# Altium PCB CL-HC-M-V2.1gerber.PcbDoc (part 3 of 16)
Units mil, origin at the board's own origin, x right, y up, seen from the top; angles counter-clockwise.
Board outline 27559.06 x 27559.06 mil, 2 copper layers (TopLayer, BottomLayer); 575 components, 528 nets, 1941 pads, 1850 vias.
Unrouted connection lines stored in the file: 70.
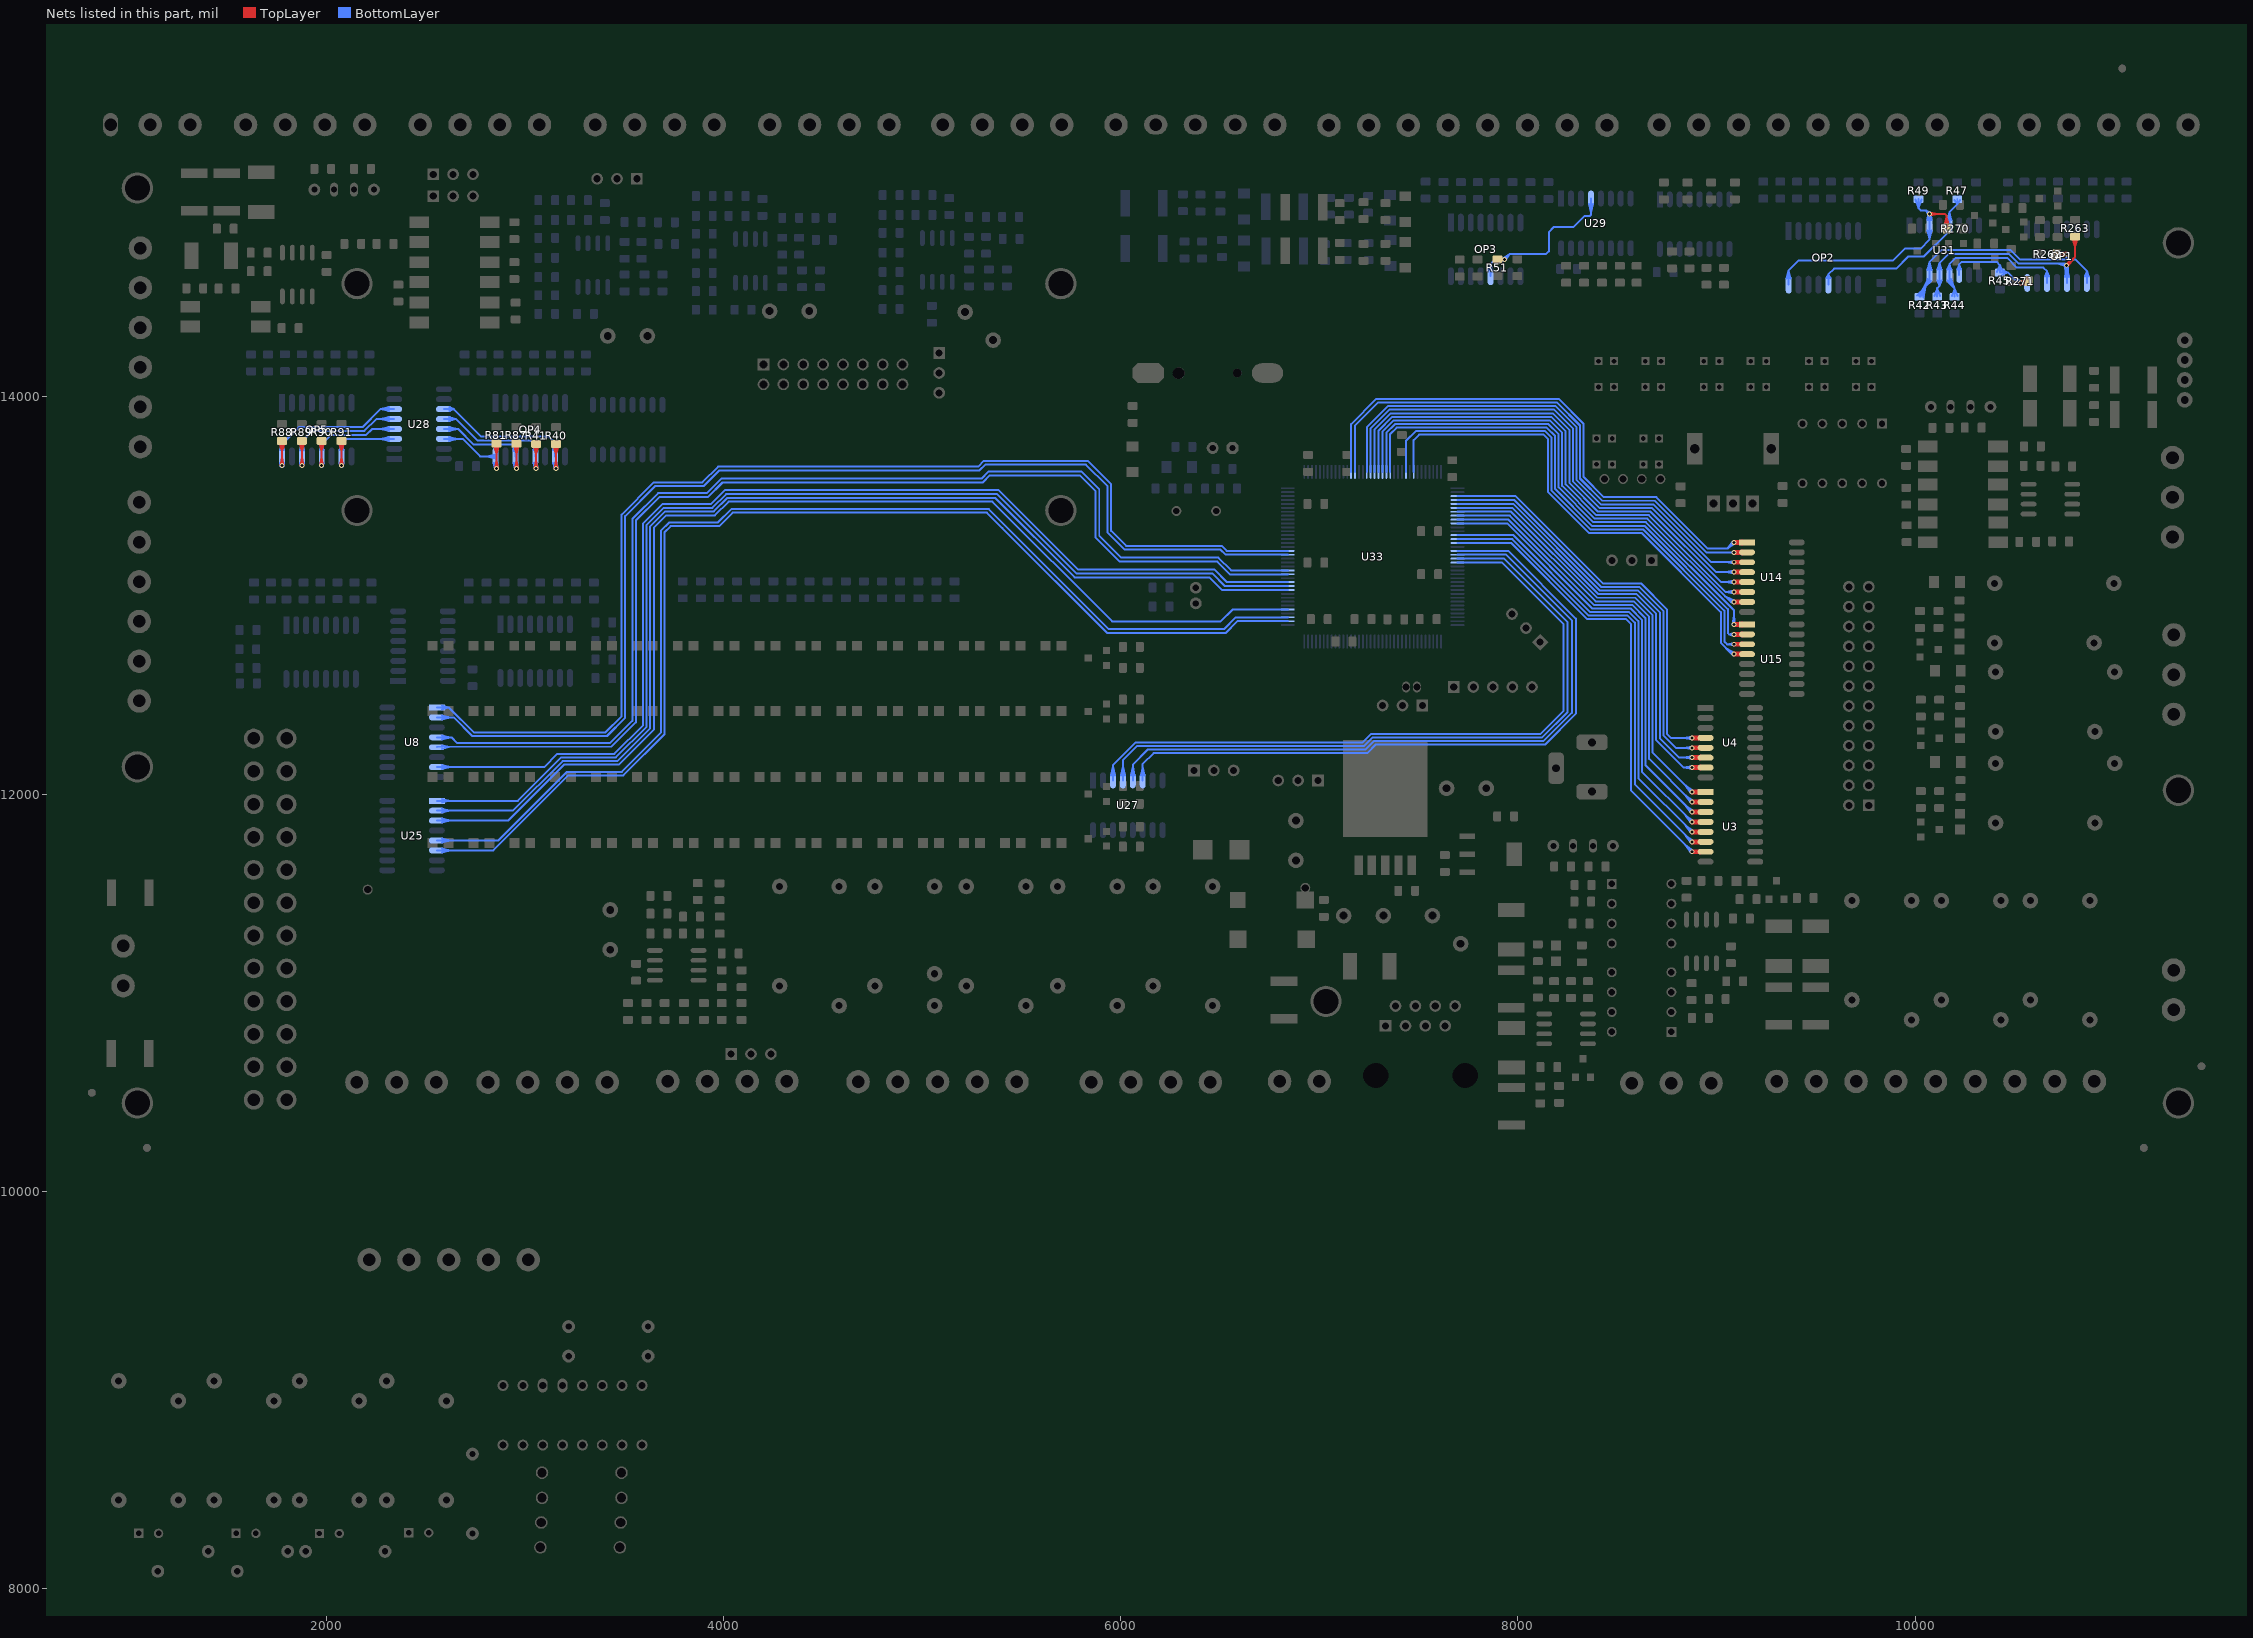
[diagram p3: the nets of this part, all layers, seen from the top]

## Via types
v1: diameter 25, hole 15, TopLayer to BottomLayer, tented both sides, 1813 vias
v2: diameter 20, hole 12, TopLayer to BottomLayer, tented both sides, 24 vias
v3: diameter 25, hole 15, TopLayer to BottomLayer, 13 vias

## Nets (pads, with @x,y where several pads share a name; then routed paths per layer and width w, separated by ;. In a path a pad name is that pad's centre, name@x,y a point inside that pad or via, vN(x,y) a via of type N, cw(c..) or ccw(c..) an arc to the next point about the centre after c; other vN are vias at no path point) (continued)
3V-亚高效: OP2.12 R47.1 U31.5 | length 1165.3
  BottomLayer w10: OP2.12@9553.04,14597.39 9562.76,14616.3 ; OP2.12@9562.76,14565.04 9562.76,14616.3 ; OP2.12@9562.76,14595.04 9562.76,14616.3 ; OP2.12@9572.48,14597.39 9562.76,14616.3 ; U31.5@10161.69,14889.84 10171.61,14929.77 ; U31.5@10171.61,14888.63 10171.61,14929.77 ; U31.5@10181.54,14889.84 10171.61,14929.77 ; R47.1@10197.28,14990.59 10211.61,14969.76 ; R47.1@10211.61,14995.04 10211.61,14969.76 ; R47.1@10225.93,14990.59 10211.61,14969.76 ; 9562.76,14616.3 9592.2,14645.74 9903.52,14645.74 9964.58,14706.81 10043.79,14706.81 10171.61,14834.63 U31.5@10171.61,14863.63 10171.61,14929.77 ; 10171.61,14929.77 10211.61,14969.76
3V-亚高效报警灯: U8.5 U33.14 | length 5959.9
  BottomLayer w10: U8.5@2557.38,12236.08 2559.87,12238.58 3436.14,12238.58 3559.28,12361.73 3559.28,13377.72 3677.16,13495.6 3921.91,13495.6 3995.31,13569 5305.05,13569 5341.37,13605.32 5793.75,13605.32 5872.37,13526.7 5872.37,13292.85 5994.78,13170.45 6486.35,13170.45 6549.97,13106.83 U33.14@6841.28,13106.83 ; U8.5@2582.38,12236.08 2627.45,12238.58 ; U8.5@2582.93,12246.07 2627.45,12238.58 ; U8.5@2584.03,12226.22 2627.45,12238.58 ; 6776.28,13106.83 U33.14@6811.03,13106.83
3V-值机: U27.4 U33.91 | length 3749.7
  BottomLayer w10: U27.4@6001.01,12094.94 6010.95,12138.83 ; U27.4@6010.95,12068.83 6010.95,12170.17 6083.75,12242.97 7225.77,12242.97 7268.69,12285.88 8122.04,12285.88 8249.63,12413.48 8249.63,12866.33 7930.39,13185.57 U33.91@7695.61,13185.57 ; U27.4@6010.95,12093.83 6010.95,12138.83 ; U27.4@6020.89,12094.94 6010.95,12138.83 ; U33.91@7725.86,13185.57 7760.61,13185.57
3V-停机保温: U15.1 U33.58 | length 3399.9
  TopLayer w10: v1@9085.44,12847.13 U15.1@9127.45,12844.61 ; v1@9085.44,12861.97 U15.1@9127.45,12864.47 ; v1@9088.96,12847.45 U15.1@9127.45,12864.47 ; v1@9088.97,12861.65 U15.1@9127.45,12844.61 ; U15.1@9153.64,12854.54 v1(9086.55,12854.55) ; v1(9086.55,12854.55) U15.1@9127.45,12844.61 ; v1(9086.55,12854.55) U15.1@9127.45,12864.47 ; v1(9086.55,12854.55) U15.1@9128.64,12854.54 ; v1(9086.55,12854.55) U15.1@9129.05,12854.54 ; v1(9086.55,12854.55) U15.1@9127.45,12844.61 ; v1(9086.55,12854.55) U15.1@9128.64,12854.54 ; v1(9086.55,12854.55) U15.1@9127.45,12864.47 ; U15.1@9128.64,12854.54 9087.22,12862.02 U15.1@9129.05,12854.54 ; U15.1@9128.64,12854.54 9087.22,12847.08 U15.1@9129.05,12854.54
  BottomLayer w10: U33.58@7337.35,13622.58 7337.35,13818.78 7382,13863.44 8152.28,13863.44 8204.48,13811.24 8204.48,13544.44 8379.87,13369.05 8644.47,13369.05 9086.55,12926.96 v1(9086.55,12854.55) ; U33.58@7337.35,13652.83 7337.35,13687.58 ; v1@9079.08,12855.21 9086.55,12897.05 v1@9094.02,12855.21
3V-初效: OP1.14 R44.1 U31.12 | length 1269.9
  BottomLayer w10: U31.12@10161.77,14640.37 10171.61,14667.26 ; U31.12@10163.72,14582.48 10198.82,14545.55 ; U31.12@10171.61,14638.63 10171.61,14667.26 ; U31.12@10180.55,14593.11 10198.82,14545.55 ; U31.12@10181.46,14640.37 10171.61,14667.26 ; R44.1@10184.06,14506.77 10198.82,14545.55 ; R44.1@10198.82,14504.06 10198.82,14545.55 ; R44.1@10213.57,14506.77 10198.82,14545.55 ; OP1.14@10654.01,14605.24 10663.86,14632.21 ; OP1.14@10663.86,14573.5 10663.86,14632.21 ; OP1.14@10663.86,14603.5 10663.86,14632.21 ; OP1.14@10673.71,14605.24 10663.86,14632.21 ; 10171.61,14572.75 U31.12@10171.61,14613.63 10171.61,14667.26 ; 10171.61,14572.75 10198.82,14545.55 ; 10171.61,14572.75 10181.1,14585.48 10171.61,14572.75 ; 10171.61,14572.75 10162.12,14585.48 10171.61,14572.75 ; 10171.61,14572.75 U31.12@10171.61,14588.63 ; 10171.61,14572.75 U31.12@10171.61,14588.63 ; U31.12@10171.61,14588.63 10198.82,14545.55 ; 10171.61,14667.26 10204.01,14699.66 10462.67,14699.66 10511.85,14650.48 10645.59,14650.48 10663.86,14632.21
3V-初效报警灯: U8.2 U33.19 | length 5978.7
  BottomLayer w10: U8.2@2557.38,12386.08 2642.33,12386.08 2735.83,12292.58 3413.77,12292.58 3505.28,12384.09 3505.28,13400.09 3656.62,13551.43 3901.37,13551.43 3979.17,13629.23 5288.91,13629.23 5319,13659.32 5824.93,13659.32 5932.61,13551.65 5932.61,13317.8 6019.73,13230.68 6502.48,13230.68 6527.91,13205.26 U33.19@6841.28,13205.26 ; U8.2@2582.38,12386.08 2627.38,12386.08 ; U8.2@2583.49,12376.15 2627.38,12386.08 ; U8.2@2583.49,12396.02 2627.38,12386.08 ; 6776.28,13205.26 U33.19@6811.03,13205.26
3V-加湿器-加湿互锁: U3.7 U33.87 | length 3025.2
  TopLayer w10: v1@8876.07,11702.57 U3.7@8918.09,11700.06 ; v1@8876.07,11717.4 U3.7@8918.09,11719.92 ; v1@8879.59,11702.89 U3.7@8918.09,11719.92 ; v1@8879.59,11717.09 U3.7@8918.09,11700.06 ; U3.7@8944.27,11709.99 v1(8877.18,11709.99) ; v1(8877.18,11709.99) U3.7@8918.09,11700.06 ; v1(8877.18,11709.99) U3.7@8918.09,11719.92 ; v1(8877.18,11709.99) U3.7@8919.27,11709.99 ; U3.7@8919.27,11709.99 8877.85,11717.46 8919.68,11709.99 8877.84,11702.52 U3.7@8919.27,11709.99
  BottomLayer w10: U33.87@7695.61,13264.31 7966.01,13264.31 8349.64,12880.69 8544.97,12880.69 8570.07,12855.58 8570.07,12017.1 v1(8877.18,11709.99) 8843.47,11743.7 ; U33.87@7725.86,13264.31 7760.61,13264.31 ; v1@8871.48,11705.12 8843.47,11743.7 ; v1@8882.05,11715.69 8843.47,11743.7
3V-加湿器-加湿开关: U3.6 U33.86 | length 2998.3
  TopLayer w10: v1@8876.07,11752.57 U3.6@8918.09,11750.06 ; v1@8876.07,11767.4 U3.6@8918.09,11769.92 ; v1@8879.59,11752.89 U3.6@8918.09,11769.92 ; v1@8879.59,11767.09 U3.6@8918.09,11750.06 ; U3.6@8944.27,11759.99 v1(8877.18,11759.99) ; v1(8877.18,11759.99) U3.6@8918.09,11750.06 ; v1(8877.18,11759.99) U3.6@8918.09,11769.92 ; v1(8877.18,11759.99) U3.6@8919.27,11759.99 ; U3.6@8919.27,11759.99 8877.85,11767.46 8919.68,11759.99 8877.84,11752.52 U3.6@8919.27,11759.99
  BottomLayer w10: U33.86@7695.61,13284 7971.78,13284 8357.09,12898.69 8552.42,12898.69 8588.07,12863.04 8588.07,12049.1 v1(8877.18,11759.99) 8843.47,11793.7 ; U33.86@7725.86,13284 7760.61,13284 ; v1@8871.48,11755.12 8843.47,11793.7 ; v1@8882.05,11765.69 8843.47,11793.7
3V-加湿器-加湿电磁阀: U3.5 U33.85 | length 2971.4
  TopLayer w10: v1@8876.07,11802.57 U3.5@8918.09,11800.06 ; v1@8876.07,11817.4 U3.5@8918.09,11819.92 ; v1@8879.59,11802.89 U3.5@8918.09,11819.92 ; v1@8879.59,11817.09 U3.5@8918.09,11800.06 ; U3.5@8944.27,11809.99 v1(8877.18,11809.99) ; v1(8877.18,11809.99) U3.5@8918.09,11800.06 ; v1(8877.18,11809.99) U3.5@8918.09,11819.92 ; v1(8877.18,11809.99) U3.5@8919.27,11809.99 ; U3.5@8919.27,11809.99 8877.85,11817.46 8919.68,11809.99 8877.84,11802.52 U3.5@8919.27,11809.99
  BottomLayer w10: U33.85@7695.61,13303.68 7977.55,13303.68 8364.55,12916.69 8559.88,12916.69 8606.07,12870.49 8606.07,12081.1 v1(8877.18,11809.99) 8843.47,11843.7 ; U33.85@7725.86,13303.68 7760.61,13303.68 ; v1@8871.48,11805.12 8843.47,11843.7 ; v1@8882.05,11815.69 8843.47,11843.7
3V-加热1: U4.4 U33.75 | length 2745.9
  TopLayer w10: v1@8876.07,12276.01 U4.4@8918.09,12273.5 ; v1@8876.07,12290.84 U4.4@8918.09,12293.35 ; v1@8879.59,12276.32 U4.4@8918.09,12293.35 ; v1@8879.59,12290.53 U4.4@8918.09,12273.5 ; U4.4@8944.27,12283.43 v1(8877.18,12283.43) ; v1(8877.18,12283.43) U4.4@8918.09,12273.5 ; v1(8877.18,12283.43) U4.4@8918.09,12293.35 ; v1(8877.18,12283.43) U4.4@8919.27,12283.43 ; U4.4@8919.27,12283.43 8877.85,12290.9 8919.68,12283.43 8877.84,12275.95 U4.4@8919.27,12283.43
  BottomLayer w10: U33.75@7695.61,13500.53 7988.16,13500.53 8428.01,13060.69 8619.52,13060.69 8750.07,12930.14 8750.07,12303.63 8770.28,12283.43 v1(8877.18,12283.43) 8834.68,12283.43 ; U33.75@7725.86,13500.53 7760.61,13500.53 ; v1@8876.52,12275.95 8834.68,12283.43 ; v1@8876.52,12290.9 8834.68,12283.43
3V-加热2: U14.2 U33.50 | length 3222.5
  TopLayer w10: v1@9085.43,13210.08 U14.2@9127.45,13207.57 ; v1@9085.43,13224.91 U14.2@9127.45,13227.42 ; v1@9087.2,13210.02 9129.04,13217.5 v1@9087.2,13224.97 ; v1@9087.21,13210.03 U14.2@9128.64,13217.5 ; v1@9087.21,13224.97 U14.2@9128.64,13217.5 ; v1@9088.95,13210.39 U14.2@9127.45,13227.42 ; v1@9088.95,13224.6 U14.2@9127.45,13207.57 ; U14.2@9153.64,13217.5 v1(9086.54,13217.5) ; v1(9086.54,13217.5) U14.2@9127.45,13207.57 ; v1(9086.54,13217.5) U14.2@9127.45,13227.42 ; v1(9086.54,13217.5) U14.2@9128.64,13217.5
  BottomLayer w10: U33.50@7179.87,13622.58 7179.87,13856.51 7294.79,13971.44 8197.02,13971.44 8312.48,13855.98 8312.48,13589.17 8424.6,13477.05 8689.2,13477.05 8948.75,13217.5 v1(9086.54,13217.5) ; U33.50@7179.87,13652.83 7179.87,13687.58
3V-加热3: U4.6 U33.77 | length 2774.9
  TopLayer w10: v1@8876.07,12176.01 U4.6@8918.09,12173.5 ; v1@8876.07,12190.84 U4.6@8918.09,12193.35 ; v1@8879.59,12176.32 U4.6@8918.09,12193.35 ; v1@8879.59,12190.53 U4.6@8918.09,12173.5 ; U4.6@8944.27,12183.43 v1(8877.18,12183.43) ; v1(8877.18,12183.43) U4.6@8918.09,12173.5 ; v1(8877.18,12183.43) U4.6@8918.09,12193.35 ; v1(8877.18,12183.43) U4.6@8919.27,12183.43 ; U4.6@8919.27,12183.43 8877.85,12190.9 8919.68,12183.43 8877.84,12175.95 U4.6@8919.27,12183.43
  BottomLayer w10: U33.77@7695.61,13461.16 7976.62,13461.16 8413.09,13024.69 8604.61,13024.69 8714.07,12915.23 8714.07,12282.02 8812.67,12183.43 v1(8877.18,12183.43) 8834.68,12183.43 ; U33.77@7725.86,13461.16 7760.61,13461.16 ; v1@8876.52,12175.95 8834.68,12183.43 ; v1@8876.52,12190.9 8834.68,12183.43
3V-变频: U3.1 U33.79 | length 3048.7
  TopLayer w10: v1@8876.08,12002.58 U3.1@8918.09,12000.06 ; v1@8876.08,12017.41 U3.1@8918.09,12019.92 ; v1@8877.85,12017.47 U3.1@8919.69,12009.99 ; v1@8877.86,12017.47 U3.1@8919.27,12009.99 ; v1@8879.6,12002.9 U3.1@8918.09,12019.92 ; v1@8879.6,12017.1 U3.1@8918.09,12000.06 ; U3.1@8944.27,12009.99 v1@8877.18,12009.99 ; v1@8877.18,12009.99 U3.1@8918.09,12000.06 ; v1@8877.18,12009.99 U3.1@8918.09,12019.92 ; v1@8877.18,12009.99 U3.1@8919.27,12009.99 ; v1(8877.19,12010) U3.1@8919.69,12009.99 ; v1(8877.19,12010) U3.1@8918.09,12000.06 ; v1(8877.19,12010) U3.1@8918.09,12019.92 ; v1(8877.19,12010) U3.1@8919.27,12009.99 ; U3.1@8919.27,12009.99 8877.86,12002.53 U3.1@8919.69,12009.99
  BottomLayer w10: U33.79@7695.61,13421.79 7965.08,13421.79 8398.18,12988.69 8589.7,12988.69 8678.07,12900.31 8678.07,12209.12 v1(8877.19,12010) 8843.48,12043.71 ; U33.79@7725.86,13421.79 7760.61,13421.79 ; v1@8871.49,12005.13 8843.48,12043.71 ; v1@8882.06,12015.7 8843.48,12043.71
3V-变频开启: U27.3 U33.92 | length 3727.7
  BottomLayer w10: U27.3@5951.01,12094.94 5960.95,12138.83 ; U27.3@5960.95,12068.83 5960.95,12145.63 6076.29,12260.97 7218.32,12260.97 7261.23,12303.88 8114.58,12303.88 8228.79,12418.08 8228.79,12857.69 7920.59,13165.89 U33.92@7695.61,13165.89 ; U27.3@5960.95,12093.83 5960.95,12138.83 ; U27.3@5970.89,12094.94 5960.95,12138.83 ; U33.92@7725.86,13165.89 7760.61,13165.89
3V-备用: U27.5 U33.90 | length 3745.6
  BottomLayer w10: U27.5@6051.01,12094.94 6060.95,12138.83 ; U27.5@6060.95,12068.83 6060.95,12148.33 6137.59,12224.97 7233.23,12224.97 7276.15,12267.88 8129.5,12267.88 8271.14,12409.53 8271.14,12875.24 7941.12,13205.26 U33.90@7695.61,13205.26 ; U27.5@6060.95,12093.83 6060.95,12138.83 ; U27.5@6070.89,12094.94 6060.95,12138.83 ; U33.90@7725.86,13205.26 7760.61,13205.26
3V-外急停开关: OP1.12 R43.1 R263.2 U31.13 | length 2505.8
  TopLayer w10: v1@10757.9,14668.29 10796.48,14696.3 v1@10768.47,14657.72 ; v1@10763.86,14661.5 v1(10762.77,14662.59) 10804.7,14704.52 R263.2@10804.7,14806.55 ; R263.2@10789.86,14804.3 10804.7,14756.55 R263.2@10819.53,14804.3
  BottomLayer w10: R43.1@10096.13,14507.2 10110.9,14547.03 ; R43.1@10110.9,14504.55 10110.9,14547.03 ; U31.13@10111.75,14587.01 10121.61,14557.74 ; U31.13@10111.72,14640.06 10121.61,14673.43 ; U31.13@10121.61,14588.63 10121.61,14557.74 ; U31.13@10121.61,14638.63 10121.61,14673.43 ; R43.1@10125.66,14507.2 10110.9,14547.03 ; U31.13@10131.48,14587.01 10121.61,14557.74 ; U31.13@10131.51,14640.06 10121.61,14673.43 ; OP1.12@10753.92,14604.61 10763.86,14648.5 ; v1@10755.27,14662.91 10757.16,14618.93 ; v1@10755.52,14660.64 10770.24,14620.33 ; v1@10760.94,14655.32 10716.09,14670.48 ; v1@10763.43,14670.06 10716.09,14670.48 ; OP1.12@10763.86,14573.5 v1@10763.86,14661.5 ; OP1.12@10763.86,14603.5 10763.86,14648.5 ; v1@10770.1,14661 10757.16,14618.93 ; v1@10770.24,14663.24 10770.24,14620.33 ; OP1.12@10773.8,14604.61 10763.86,14648.5 ; 10110.9,14547.03 10121.61,14557.74 ; 10121.61,14557.74 U31.13@10121.61,14613.63 10121.61,14673.43 ; 10121.61,14673.43 10167.84,14719.66 10470.96,14719.66 10520.13,14670.48 10754.88,14670.48 v1(10762.77,14662.59) ; 10716.09,14670.48 v1(10762.77,14662.59) ; v1@10755.71,14660.05 10763.86,14648.5 ; v1@10755.71,14660.05 10763.86,14648.5 ; v1@10755.71,14660.05 10763.86,14648.5 ; 10757.16,14618.93 v1(10762.77,14662.59) ; v1(10762.77,14662.59) 10763.86,14620.05 ; v1(10762.77,14662.59) 10763.86,14648.5 ; v1(10762.77,14662.59) 10770.24,14620.33 ; v1(10762.77,14662.59) 10763.86,14648.5 ; v1(10762.77,14662.59) 10763.86,14648.5 ; v1(10762.77,14662.59) 10763.86,14620.06 ; 10763.86,14620.05 10770.25,14662.12 10763.86,14620.06 ; 10763.86,14620.05 10755.32,14661.74 10763.86,14620.06 ; 10763.86,14648.5 v1@10770.13,14661.16 ; 10763.86,14648.5 v1@10770.13,14661.16 ; 10763.86,14648.5 v1@10770.13,14661.16
3V-外接急停报警: U25.6 U33.2 | length 6028.6
  BottomLayer w10: U25.6@2557.38,11716.61 2841.9,11716.61 3219.88,12094.58 3495.78,12094.58 3703.28,12302.08 3703.28,13318.08 3734.63,13349.43 3979.38,13349.43 4046.87,13416.92 5326.59,13416.92 5403.99,13339.52 5932.28,12811.22 6528.18,12811.22 6587.57,12870.61 U33.2@6841.28,12870.61 ; U25.6@2582.38,11716.61 2627.38,11716.61 ; U25.6@2583.49,11706.67 2627.38,11716.61 ; U25.6@2583.49,11726.54 2627.38,11716.61 ; 6776.28,12870.61 U33.2@6811.03,12870.61
3V-定量阀: U4.7 U33.78 | length 2789.3
  TopLayer w10: v1@8876.07,12126.01 U4.7@8918.09,12123.5 ; v1@8876.07,12140.84 U4.7@8918.09,12143.35 ; v1@8879.59,12126.32 U4.7@8918.09,12143.35 ; v1@8879.59,12140.53 U4.7@8918.09,12123.5 ; U4.7@8944.27,12133.43 v1(8877.18,12133.43) ; v1(8877.18,12133.43) U4.7@8918.09,12123.5 ; v1(8877.18,12133.43) U4.7@8918.09,12143.35 ; v1(8877.18,12133.43) U4.7@8919.27,12133.43 ; U4.7@8919.27,12133.43 8877.85,12140.9 8919.68,12133.43 8877.84,12125.95 U4.7@8919.27,12133.43
  BottomLayer w10: U33.78@7695.61,13441.48 7970.85,13441.48 8405.64,13006.69 8597.16,13006.69 8696.07,12907.77 8696.07,12271.42 8834.06,12133.43 v1(8877.18,12133.43) 8834.68,12133.43 ; U33.78@7725.86,13441.48 7760.61,13441.48 ; v1@8876.52,12125.95 8834.68,12133.43 ; v1@8876.52,12140.9 8834.68,12133.43
3V-定频: U3.2 U33.80 | length 2906.9
  TopLayer w10: v1@8876.07,11952.57 U3.2@8918.09,11950.06 ; v1@8876.07,11967.4 U3.2@8918.09,11969.92 ; v1@8879.59,11952.89 U3.2@8918.09,11969.92 ; v1@8879.59,11967.09 U3.2@8918.09,11950.06 ; U3.2@8944.27,11959.99 v1(8877.18,11959.99) ; v1(8877.18,11959.99) U3.2@8918.09,11950.06 ; v1(8877.18,11959.99) U3.2@8918.09,11969.92 ; v1(8877.18,11959.99) U3.2@8919.27,11959.99 ; U3.2@8919.27,11959.99 8877.85,11967.46 8919.68,11959.99 8877.84,11952.52 U3.2@8919.27,11959.99
  BottomLayer w10: U33.80@7695.61,13402.11 7959.3,13402.11 8390.73,12970.69 8582.24,12970.69 8660.07,12892.86 8660.07,12177.1 v1(8877.18,11959.99) 8843.47,11993.7 ; U33.80@7725.86,13402.11 7760.61,13402.11 ; v1@8871.48,11955.12 8843.47,11993.7 ; v1@8882.05,11965.69 8843.47,11993.7
3V-密闭阀: U4.5 U33.76 | length 2758.4
  TopLayer w10: v1@8876.07,12226.01 U4.5@8918.09,12223.5 ; v1@8876.07,12240.84 U4.5@8918.09,12243.35 ; v1@8879.59,12226.32 U4.5@8918.09,12243.35 ; v1@8879.59,12240.53 U4.5@8918.09,12223.5 ; U4.5@8944.27,12233.43 v1(8877.18,12233.43) ; v1(8877.18,12233.43) U4.5@8918.09,12223.5 ; v1(8877.18,12233.43) U4.5@8918.09,12243.35 ; v1(8877.18,12233.43) U4.5@8919.27,12233.43 ; U4.5@8919.27,12233.43 8877.85,12240.9 8919.68,12233.43 8877.84,12225.95 U4.5@8919.27,12233.43
  BottomLayer w10: U33.76@7695.61,13480.85 7982.39,13480.85 8420.55,13042.69 8612.07,13042.69 8732.07,12922.68 8732.07,12296.18 8794.82,12233.43 v1(8877.18,12233.43) 8834.68,12233.43 ; U33.76@7725.86,13480.85 7760.61,13480.85 ; v1@8876.52,12225.95 8834.68,12233.43 ; v1@8876.52,12240.9 8834.68,12233.43
3V-排风机1: OP5.10 R91.1 U28.3 | length 1200.4
  TopLayer w10: R91.1@2062.54,13776.11 2077.38,13728.36 R91.1@2092.21,13776.11 ; v1@2069.9,13654.02 2077.38,13695.86 v1@2084.85,13654.02 ; v1(2077.38,13653.36) R91.1@2077.38,13778.36
  BottomLayer w10: OP5.10@2067.87,13731.54 2077.76,13763.35 ; v1@2069.9,13654.02 2077.38,13695.86 v1@2084.85,13654.02 ; v1@2070.11,13655.21 OP5.10@2077.76,13670.04 ; v1@2070.35,13650.72 OP5.10@2068.15,13667.26 ; OP5.10@2072.47,13659.03 OP5.10@2087.23,13666.82 ; OP5.10@2077.38,13718.36 v1(2077.38,13653.36) ; OP5.10@2077.76,13700.04 2077.76,13763.35 ; OP5.10@2077.76,13730.04 2077.76,13763.35 ; OP5.10@2082.53,13658.8 OP5.10@2068.15,13667.26 ; v1@2084.27,13650.4 OP5.10@2087.23,13666.82 ; v1@2084.72,13654.87 OP5.10@2077.76,13670.04 ; OP5.10@2087.65,13731.54 2077.76,13763.35 ; U28.3@2316.58,13778.42 2272.69,13788.36 ; U28.3@2316.58,13798.3 2272.69,13788.36 ; U28.3@2317.69,13788.36 2272.69,13788.36 ; U28.3@2342.69,13788.36 2102.77,13788.36 2077.76,13763.35 ; OP5.10@2068.15,13667.26 v1(2077.38,13653.36) ; OP5.10@2068.15,13667.26 v1(2077.38,13653.36) ; v1(2077.38,13653.36) OP5.10@2087.23,13666.82 ; v1(2077.38,13653.36) OP5.10@2077.76,13670.04
3V-排风机2: OP5.12 R90.1 U28.4 | length 1312.1
  TopLayer w10: R90.1@1962.54,13776.11 1977.38,13728.36 R90.1@1992.21,13776.11 ; v1@1969.9,13654.02 1977.38,13695.86 v1@1984.85,13654.02 ; v1(1977.38,13653.36) R90.1@1977.38,13778.36
  BottomLayer w10: OP5.12@1967.89,13731.66 1977.76,13760.85 ; v1@1969.9,13654.02 1977.38,13695.86 v1@1984.85,13654.02 ; v1@1970.11,13655.21 OP5.12@1977.76,13670.04 ; v1@1970.35,13650.72 OP5.12@1968.15,13667.26 ; OP5.12@1972.47,13659.03 OP5.12@1987.23,13666.82 ; OP5.12@1977.38,13718.36 v1(1977.38,13653.36) ; OP5.12@1977.76,13700.04 1977.76,13760.85 ; OP5.12@1977.76,13730.04 1977.76,13760.85 ; OP5.12@1982.53,13658.8 OP5.12@1968.15,13667.26 ; v1@1984.27,13650.4 OP5.12@1987.23,13666.82 ; v1@1984.72,13654.87 OP5.12@1977.76,13670.04 ; OP5.12@1987.63,13731.66 1977.76,13760.85 ; U28.4@2316.58,13828.42 2272.69,13838.36 ; U28.4@2316.58,13848.3 2272.69,13838.36 ; U28.4@2317.69,13838.36 2272.69,13838.36 ; U28.4@2342.69,13838.36 2231.57,13838.36 2201.57,13808.36 2025.27,13808.36 1977.76,13760.85 ; OP5.12@1968.15,13667.26 v1(1977.38,13653.36) ; OP5.12@1968.15,13667.26 v1(1977.38,13653.36) ; v1(1977.38,13653.36) OP5.12@1987.23,13666.82 ; v1(1977.38,13653.36) OP5.12@1977.76,13670.04
3V-排风机3: OP5.14 R89.1 U28.5 | length 1483.9
  TopLayer w10: R89.1@1862.54,13776.11 1877.38,13728.36 R89.1@1892.21,13776.11 ; v1@1869.9,13654.02 1877.38,13695.86 v1@1884.85,13654.02 ; v1(1877.38,13653.36) R89.1@1877.38,13778.36
  BottomLayer w10: OP5.14@1867.82,13731.15 1877.76,13775.04 ; v1@1869.9,13654.02 1877.38,13695.86 v1@1884.85,13654.02 ; v1@1870.11,13655.21 OP5.14@1877.76,13670.04 ; v1@1870.35,13650.72 OP5.14@1868.15,13667.26 ; OP5.14@1872.47,13659.03 OP5.14@1887.23,13666.82 ; OP5.14@1877.38,13718.36 v1(1877.38,13653.36) ; OP5.14@1877.76,13700.04 1877.76,13775.37 1930.75,13828.36 2192.66,13828.36 2252.66,13888.36 U28.5@2342.69,13888.36 ; OP5.14@1877.76,13730.04 1877.76,13775.04 ; OP5.14@1882.53,13658.8 OP5.14@1868.15,13667.26 ; v1@1884.27,13650.4 OP5.14@1887.23,13666.82 ; v1@1884.72,13654.87 OP5.14@1877.76,13670.04 ; OP5.14@1887.7,13731.15 1877.76,13775.04 ; U28.5@2316.58,13878.42 2272.69,13888.36 ; U28.5@2316.58,13898.3 2272.69,13888.36 ; U28.5@2317.69,13888.36 2272.69,13888.36 ; OP5.14@1868.15,13667.26 v1(1877.38,13653.36) ; OP5.14@1868.15,13667.26 v1(1877.38,13653.36) ; v1(1877.38,13653.36) OP5.14@1887.23,13666.82 ; v1(1877.38,13653.36) OP5.14@1877.76,13670.04